# Altium PCB Zotino.PCBDOC (part 4 of 8)
Units mil, origin at the board's own origin, x right, y up, seen from the top; angles counter-clockwise.
Board outline 6303.18 x 3940.98 mil, 4 copper layers (TopLayer, Internal Plane 2, Signal Layer 1, BottomLayer), stack 61.54 mil thick; 716 components, 353 nets, 2092 pads, 748 vias.
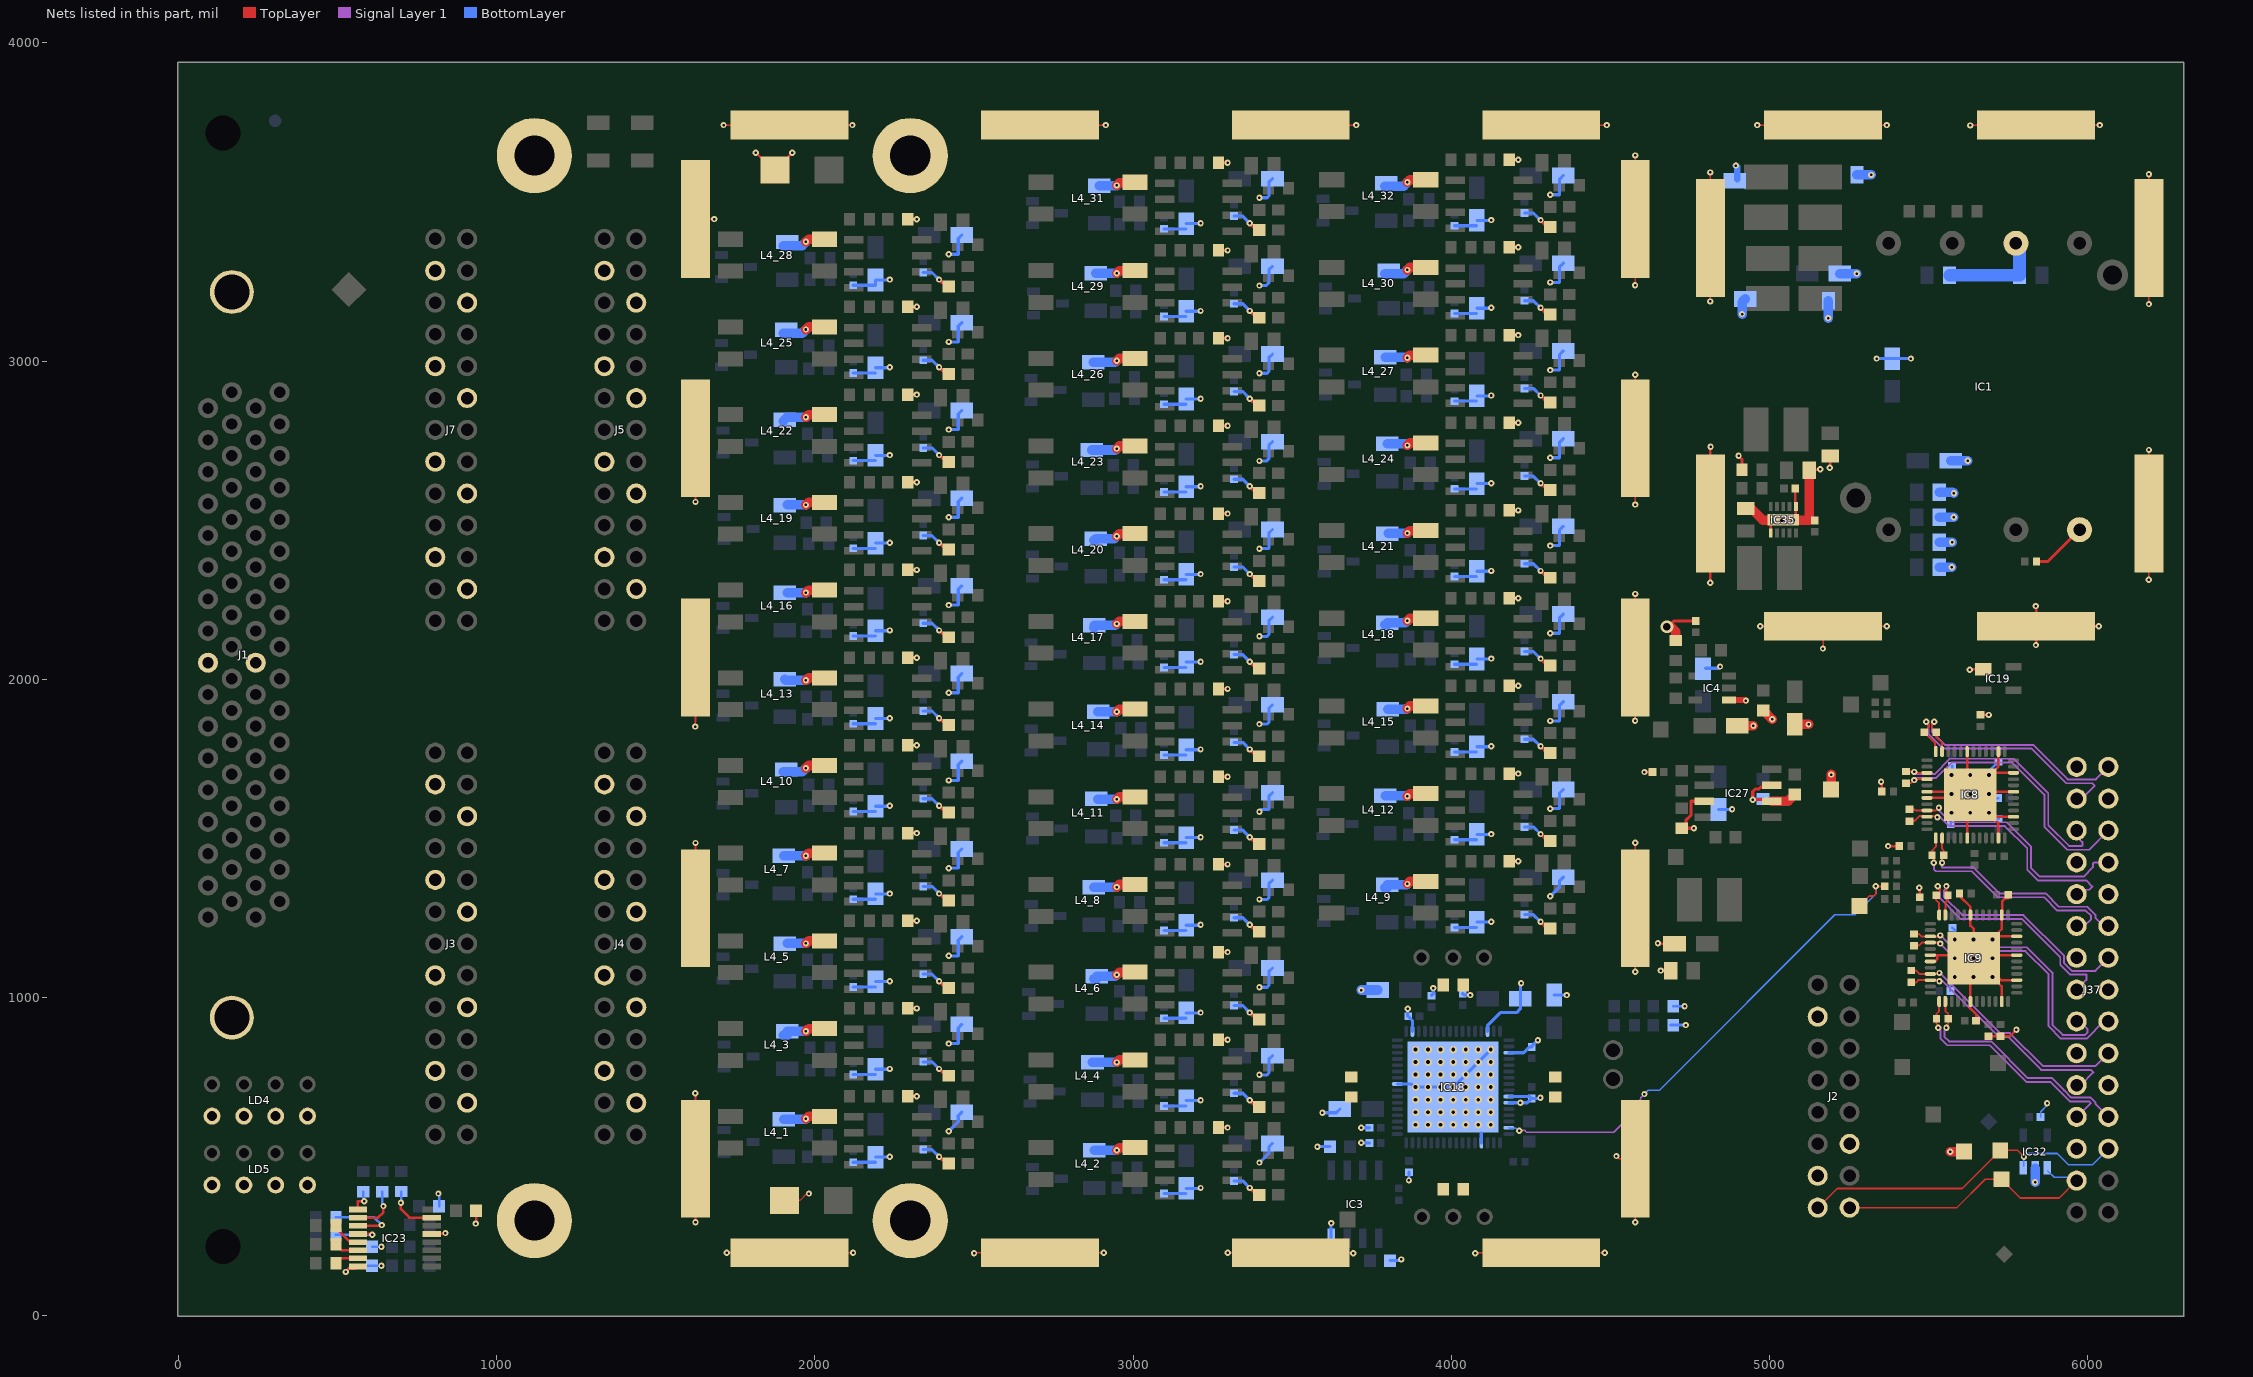
[diagram p6: the nets of this part, all layers, seen from the top]

## Via types
v1: diameter 19.68, hole 7.87, TopLayer to BottomLayer, tented both sides, 647 vias
v2: diameter 23.62, hole 11.81, TopLayer to BottomLayer, tented both sides, 70 vias
v3: diameter 39.37, hole 23.62, TopLayer to BottomLayer, tented both sides, 23 vias
v4: diameter 39.37, hole 19.68, TopLayer to BottomLayer, tented both sides, 8 vias

## Nets (pads, with @x,y where several pads share a name; then routed paths per layer and width w, separated by ;. In a path a pad name is that pad's centre, name@x,y a point inside that pad or via, vN(x,y) a via of type N, cw(c..) or ccw(c..) an arc to the next point about the centre after c; other vN are vias at no path point) (continued)
GND: C1.1 C2.1 C3.1 C4.1 C5.1 C7.2 C8.1 C9.1 C10.2 C12.2 C13.1 C14.2 C19.1 C20.1 C21.1 C22.1 C23.1 C24.1 C31.1 C33.1 C38.1 C47.2 C50.1 C53.1 C61_1.1 C61_2.1 C61_3.1 C61_4.1 C61_5.1 C61_6.1 C61_7.1 C61_8.1 C61_9.1 C61_10.1 C61_11.1 C61_12.1 C61_13.1 C61_14.1 C61_15.1 C61_16.1 C61_17.1 C61_18.1 C61_19.1 C61_20.1 C61_21.1 C61_22.1 C61_23.1 C61_24.1 C61_25.1 C61_26.1 C61_27.1 C61_28.1 C61_29.1 C61_30.1 C61_31.1 C61_32.1 C62_1.1 C62_2.1 C62_3.1 C62_4.1 C62_5.1 C62_6.1 C62_7.1 C62_8.1 C62_9.1 C62_10.1 C62_11.1 C62_12.1 C62_13.1 C62_14.1 C62_15.1 C62_16.1 C62_17.1 C62_18.1 C62_19.1 C62_20.1 C62_21.1 C62_22.1 C62_23.1 C62_24.1 C62_25.1 C62_26.1 C62_27.1 C62_28.1 C62_29.1 C62_30.1 C62_31.1 C62_32.1 C63.1 C68.1 C69.1 C70.1 C71.1 C76.1 C77.1 C78.1 C79.2 C80.1 C81.1 C82.1 C83.1 C90_1.2 C90_2.2 C90_3.2 C90_4.2 C90_5.2 C90_6.2 C90_7.2 C90_8.2 C90_9.2 C90_10.2 C90_11.2 C90_12.2 C90_13.2 C90_14.2 C90_15.2 C90_16.2 C90_17.2 C90_18.2 C90_19.2 C90_20.2 C90_21.2 C90_22.2 C90_23.2 C90_24.2 C90_25.2 C90_26.2 C90_27.2 C90_28.2 C90_29.2 C90_30.2 C90_31.2 C90_32.2 C91_1.1 C91_2.1 C91_3.1 C91_4.1 C91_5.1 C91_6.1 C91_7.1 C91_8.1 C91_9.1 C91_10.1 C91_11.1 C91_12.1 C91_13.1 C91_14.1 C91_15.1 C91_16.1 C91_17.1 C91_18.1 C91_19.1 C91_20.1 C91_21.1 C91_22.1 C91_23.1 C91_24.1 C91_25.1 C91_26.1 C91_27.1 C91_28.1 C91_29.1 C91_30.1 C91_31.1 C91_32.1 C92_1.1 C92_2.1 C92_3.1 C92_4.1 C92_5.1 C92_6.1 C92_7.1 C92_8.1 C92_9.1 C92_10.1 C92_11.1 C92_12.1 C92_13.1 C92_14.1 C92_15.1 C92_16.1 C92_17.1 C92_18.1 C92_19.1 C92_20.1 C92_21.1 C92_22.1 C92_23.1 C92_24.1 C92_25.1 C92_26.1 C92_27.1 C92_28.1 C92_29.1 C92_30.1 C92_31.1 C92_32.1 C93_1.1 C93_2.1 C93_3.1 C93_4.1 C93_5.1 C93_6.1 C93_7.1 C93_8.1 C93_9.1 C93_10.1 C93_11.1 C93_12.1 C93_13.1 C93_14.1 C93_15.1 C93_16.1 C93_17.1 C93_18.1 C93_19.1 C93_20.1 C93_21.1 C93_22.1 C93_23.1 C93_24.1 C93_25.1 C93_26.1 C93_27.1 C93_28.1 C93_29.1 C93_30.1 C93_31.1 C93_32.1 C95.1 C96.1 C124.2 C129.1 C130.1 C131.1 C132.2 C133.1 C134.2 C136.2 C137.1 C138.1 C139.1 C140.1 C141.1 C142.1 C144.1 C147.1 C148.1 C149.1 C150.1 C151.1 CLIP27.1 CLIP28.1 CLIP29.1 CLIP30.1 CLIP31.1 CLIP32.1 CLIP33.1 CLIP34.1 CLIP35.1 CLIP36.1 CLIP37.1 CLIP38.1 CLIP39.1 CLIP40.1 CLIP41.1 CLIP42.1 CLIP43.1 CLIP44.1 CLIP45.1 CLIP46.1 CLIP47.1 CLIP48.1 CLIP49.1 CLIP50.1 CLIP51.1 CLIP52.1 D10.2 D11.1 IC1.3 IC1.5 IC3.4 IC4.1 IC8.6 IC8.7 IC8.18 IC8.23 IC8.27 IC8.31 IC8.34 IC8.38 IC8.43 IC8.49 IC9.6 IC9.7 IC9.18 IC9.23 IC9.27 IC9.31 IC9.34 IC9.38 IC9.43 IC9.49 IC18.4 IC18.25 IC18.34 IC18.46 IC18.51 IC18.58 IC18.59 IC18.65 IC19.1 IC23.8 IC23.13 IC27.3 IC27.6 IC27.7 IC32.2 IC35.1 IC35.6 IC35.11 J1.17 J1.51 J1.69 J1.70 J2.3 J2.12 J2.13 J3.3 J3.6 J3.9 J3.12 J3.15 J3.18 J3.21 J3.24 J4.3 J4.6 J4.9 J4.12 J4.15 J4.18 J4.21 J4.24 J5.3 J5.6 J5.9 J5.12 J5.15 J5.18 J5.21 J5.24 J7.3 J7.6 J7.9 J7.12 J7.15 J7.18 J7.21 J7.24 J37.1 J37.4 J37.7 J37.10 J37.13 J37.16 J37.19 J37.22 J37.25 L4_1.2 L4_2.2 L4_3.2 L4_4.2 L4_5.2 L4_6.2 L4_7.2 L4_8.2 L4_9.2 L4_10.2 L4_11.2 L4_12.2 L4_13.2 L4_14.2 L4_15.2 L4_16.2 L4_17.2 L4_18.2 L4_19.2 L4_20.2 L4_21.2 L4_22.2 L4_23.2 L4_24.2 L4_25.2 L4_26.2 L4_27.2 L4_28.2 L4_29.2 L4_30.2 L4_31.2 L4_32.2 LD4.1 LD4.3 LD4.5 LD4.7 LD5.1 LD5.3 LD5.5 LD5.7 pad.0 pad.1@2299.21,3645.67 pad.2@1118.11,3645.67 pad.3 R2.1 R8.1 R8.2 R9.1 R9.2 R10.1 R10.2 R12.1 R12.2 R16.1 R17.1 R19.1 R20.1 R21.1 R23.1 R68_1.1 R68_2.1 R68_3.1 R68_4.1 R68_5.1 R68_6.1 R68_7.1 R68_8.1 R68_9.1 R68_10.1 R68_11.1 R68_12.1 R68_13.1 R68_14.1 R68_15.1 R68_16.1 R68_17.1 R68_18.1 R68_19.1 R68_20.1 R68_21.1 R68_22.1 R68_23.1 R68_24.1 R68_25.1 R68_26.1 R68_27.1 R68_28.1 R68_29.1 R68_30.1 R68_31.1 R68_32.1 R70.1 R153.1 R157.2 R164.1 R171.2 TP6.1 TP7.1 | length 31594.3
  TopLayer w5: CLIP38.1@1613.44,3435.04 CLIP38.1@1624.51,3446.11 v1(1683.63,3446.11) ; v1(1624.02,698.82) 1624.51,698.33 CLIP46.1@1624.51,493.36 1624.51,302.28 v1(1624.51,293.47) ; v1(1624,1851.52) 1624,1868.45 1624.51,1868.96 CLIP40.1@1624.51,2068.16 ; CLIP47.1@1624.51,1280.76 v1(1624.51,1485.73) ; v1(1624.51,2557.25) 1624.51,2566.06 CLIP39.1@1624.51,2757.14 ; v1(1712.6,3741.39) CLIP41.1@1919.78,3741.39 v1(2117.61,3741.39) ; v1(1722.44,198.08) CLIP43.1@1919.78,198.08 2110.86,198.08 v1(2119.67,198.08) ; D11.1@1904.04,362.45 1952.95,362.45 1974.5,384 v1(1980.91,384) ; v1(2500,196.85) 2501.23,198.08 CLIP44.1@2707.18,198.08 2898.26,198.08 v1(2907.07,198.08) ; CLIP42.1@2707.18,3741.39 v1(2913.39,3741.39) ; v1(3297.24,198.08) CLIP32.1@3494.59,198.08 3689.72,198.08 v1(3690.94,196.85) ; CLIP33.1@3494.59,3741.39 v1(3700.79,3741.39) ; v1(4074.8,196.85) 4076.03,198.08 CLIP45.1@4281.99,198.08 4473.06,198.08 v1(4481.87,198.08) ; CLIP34.1@4281.99,3741.39 v1(4488.19,3741.39) ; v1(4518.21,501.97) 4526.82,493.36 CLIP37.1@4577.27,493.36 4577.27,302.28 v1(4577.27,293.47) ; v1(4576.77,1870.08) 4577.27,1870.57 CLIP29.1@4577.27,2068.16 4577.27,2259.23 v1(4577.27,2268.04) ; v1(4576.77,3238.19) 4577.27,3238.68 CLIP31.1@4577.27,3446.11 4577.27,3637.19 v1(4577.27,3645.99) ; v1(4577.27,1080.87) 4577.27,1089.68 CLIP28.1@4577.27,1280.76 v1(4577.27,1486.22) ; v1(4577.27,2549.21) CLIP30.1@4577.27,2757.14 4577.27,2948.21 v1(4577.27,2957.02) ; v1(4813.49,3187.17) 4813.49,3195.98 CLIP36.1@4813.49,3387.06 v1(4813.49,3592.52) ; v1(4960.63,3741.39) CLIP35.1@5167.81,3741.39 5358.89,3741.39 v1(5367.7,3741.39) ; v1(4970.47,2166.58) CLIP52.1@5167.82,2166.58 ; v1(5167.32,2096.46) 5167.82,2096.95 CLIP52.1@5167.82,2166.58 ; v1(5367.7,2166.58) 5358.89,2166.58 CLIP52.1@5167.82,2166.58 ; v1(5629.92,3740.16) 5631.15,3741.39 CLIP49.1@5837.11,3741.39 6028.18,3741.39 v1(6036.99,3741.39) ; v1(6190.94,2312.99) 6191.44,2313.49 CLIP50.1@6191.44,2520.91 6191.44,2711.99 v1(6191.44,2720.79) ; v1(6191.44,3179.13) CLIP48.1@6191.44,3387.05 6191.44,3578.13 v1(6191.44,3586.94)
  TopLayer w8: v1(525.22,137.84) 525.22,139.15 533.71,147.64 556.35,147.64 IC23.8@563.49,154.77 ; IC23.13@795.77,257.13 836.08,257.13 v1(838.84,259.89) ; v1(933.84,289.89) 935.34,291.39 C96.1@935.34,329.89 ; v1(1813.84,3654.89) 1868.09,3600.64 1874.59,3600.64 v1(1928.84,3654.89) ; v1(4648.62,1170.28) 4649.61,1169.29 C7.2@4700.79,1169.29 ; v1(4657.48,1084.65) C8.1@4688.98,1084.65 ; v1(4813.49,2303.15) CLIP51.1@4813.49,2520.91 4813.49,2730.49 v1(4814,2731) ; v1(4902,2702) 4912.89,2691.11 R164.1@4912.89,2658.71 ; IC35.6@5003.44,2459.89 5003.44,2494.49 IC35.11@5003.84,2494.89 ; IC35.11@5078.84,2499.89 5082.18,2503.23 IC35.1@5082.18,2542.57 ; C150.1@5080.22,2599.65 5080.22,2553.51 IC35.1@5083.84,2549.89 ; C151.1@5117.62,2644.89 5117.62,2658.71 5157.66,2658.71 v1(5158.84,2659.89) ; v1(5188.84,2664.89) 5190.45,2666.5 C129.1@5190.45,2702.02 ; v1(5350,1678) 5351.96,1676.04 R17.1@5351.96,1647.8 ; v1(5371.8,1475.8) R19.1@5406.96,1475.8 ; v1(5470.15,1344.89) 5471.15,1343.89 R20.1@5471.15,1315.39 ; IC8.7@5494.32,1627.18 5564.44,1627.18 5574.28,1637.02 IC8.49@5630.15,1637.02 ; IC8.6@5494.32,1646.87 IC8.49@5571.09,1646.87 ; IC9.7@5504.72,1113.53 5521.31,1113.53 5521.31,1115.69 5527,1121.39 5527,1133.21 ; IC9.6@5504.72,1133.21 5527,1133.21 ; R21.1@5596.64,1326.89 5596.64,1319.39 5630.71,1285.33 IC9.43@5630.71,1259.2 5630.71,1226.33 5640.55,1216.49 v2(5640.55,1182.43) v2(5640.55,1123.37) ; IC8.18@5620.31,1501.2 5620.31,1563.05 5630.15,1572.89 v2(5630.15,1580.83) IC8.49@5630.15,1635.89 ; IC8.43@5620.31,1772.85 5620.31,1721.73 5630.15,1711.89 v2(5630.15,1698.94) v2(5630.15,1639.89) ; v1(5628.84,2029.89) 5630.86,2031.91 IC19.1@5671.27,2031.91 ; IC8.49@5640.28,1637.02 5682.28,1637.02 IC8.49@5687.18,1641.92 ; IC9.49@5640.55,1126.29 5729.13,1214.87 IC9.38@5729.13,1259.2 5730.31,1260.37 5730.31,1301.69 5741.34,1312.73 5749.65,1312.73 R171.2@5749.65,1322.89 ; C24.1@5648.27,927.37 5648.27,948.05 5630.71,965.61 IC9.18@5630.71,987.54 5630.71,1050.45 5640.55,1060.29 v2(5640.55,1064.32) v2(5640.55,1123.37) ; R16.1@5662.46,1888.3 5687.7,1888.3 v1(5688,1888) ; IC8.49@5687.2,1578.83 5718.73,1547.31 IC8.23@5718.73,1501.2 ; R23.1@5687.46,878.29 R157.2@5725.46,878.29 5754.55,878.29 v1(5775.15,898.89) ; IC8.49@5687.77,1579.4 IC8.49@5630.15,1637.02 ; IC8.49@5692.12,1646.87 IC8.31@5765.97,1646.87 ; IC9.49@5698.62,1124.36 5697.63,1123.37 IC9.49@5657.67,1123.37 ; IC8.49@5699.05,1568.13 IC8.27@5765.97,1568.13 ; IC9.49@5707.47,1133.21 IC9.31@5776.38,1133.21 ; IC9.49@5710.15,1192.97 5775.68,1192.97 IC9.34@5776.38,1192.27 ; 5713.15,1720.02 IC8.49@5630.15,1637.02 ; IC9.49@5717.03,1046.89 5729.13,1034.79 IC9.23@5729.13,987.54 ; IC8.38@5718.73,1772.85 5718.73,1725.61 5699.05,1705.92 IC8.34@5765.97,1705.92 ; IC9.27@5776.38,1054.47 5726.56,1054.47 IC9.49@5657.67,1123.37 ; v1(5836,2230) 5837.11,2228.89 CLIP27.1@5837.11,2166.58 ; v1(5836.61,2107.53) 5837.11,2108.02 CLIP27.1@5837.11,2166.58 ; v1(6033.46,2166.58) CLIP27.1@5837.11,2166.58 ; 5527,1133.21 5566.79,1133.21 5576.63,1123.37 v2(5581.49,1123.37) v2(5640.55,1123.37) ; v2(5640.55,1123.37) IC9.49@5657.67,1123.37
  TopLayer w10: R68_1.1@2291.5,690 v1(2320,690) ; R68_3.1@2291.5,965.59 v1(2320,965.59) ; R68_5.1@2291.5,1241.18 v1(2320,1241.18) ; R68_7.1@2291.5,1516.77 v1(2320,1516.77) ; R68_10.1@2291.49,1792.36 v1(2320,1792.36) ; R68_13.1@2291.49,2067.95 v1(2320,2067.95) ; R68_16.1@2291.49,2343.54 v1(2320,2343.54) ; R68_19.1@2291.5,2619.13 v1(2320,2619.13) ; R68_22.1@2291.5,2894.72 v1(2320,2894.72) ; R68_25.1@2291.49,3170.32 v1(2320,3170.32) ; R68_28.1@2291.5,3445.91 v1(2320,3445.91) ; v1(2390,500) 2411.5,478.5 C61_1.1@2420,478.5 ; v1(2390,775.59) 2411.5,754.1 C61_3.1@2420,754.09 ; v1(2390,1051.18) 2411.5,1029.69 C61_5.1@2420,1029.69 ; v1(2390,1326.77) 2411.5,1305.28 C61_7.1@2420,1305.28 ; v1(2390,1602.36) 2411.5,1580.87 C61_10.1@2420,1580.87 ; v1(2390,1877.95) 2411.5,1856.46 C61_13.1@2420,1856.46 ; v1(2390,2153.54) 2411.5,2132.05 C61_16.1@2420,2132.05 ; v1(2390,2429.13) 2411.5,2407.64 C61_19.1@2420,2407.64 ; v1(2390,2704.72) 2411.5,2683.23 C61_22.1@2420,2683.23 ; v1(2390,2980.32) 2411.5,2958.82 C61_25.1@2420,2958.82 ; v1(2390,3255.91) 2411.5,3234.41 C61_28.1@2420,3234.41 ; R68_2.1@3267.87,591.57 v1(3296.38,591.57) ; R68_4.1@3267.87,867.17 v1(3296.38,867.17) ; R68_6.1@3267.87,1142.76 v1(3296.38,1142.76) ; R68_8.1@3267.87,1418.35 v1(3296.38,1418.35) ; R68_11.1@3267.87,1693.94 v1(3296.38,1693.94) ; R68_14.1@3267.87,1969.53 v1(3296.38,1969.53) ; R68_17.1@3267.87,2245.12 v1(3296.38,2245.12) ; R68_20.1@3267.87,2520.71 v1(3296.38,2520.71) ; R68_23.1@3267.87,2796.3 v1(3296.38,2796.3) ; R68_26.1@3267.87,3071.89 v1(3296.38,3071.89) ; R68_29.1@3267.87,3347.48 v1(3296.38,3347.48) ; R68_31.1@3267.87,3623.07 v1(3296.38,3623.07) ; v1(3366.38,401.57) 3387.87,380.08 C61_2.1@3396.38,380.08 ; v1(3366.38,677.17) 3387.87,655.67 C61_4.1@3396.38,655.67 ; v1(3366.38,952.76) 3387.87,931.26 C61_6.1@3396.38,931.26 ; v1(3366.38,1228.35) 3387.87,1206.85 C61_8.1@3396.38,1206.85 ; v1(3366.38,1503.94) 3387.87,1482.44 C61_11.1@3396.38,1482.44 ; v1(3366.38,1779.53) 3387.87,1758.03 C61_14.1@3396.38,1758.03 ; v1(3366.38,2055.12) 3387.87,2033.62 C61_17.1@3396.38,2033.62 ; v1(3366.38,2330.71) 3387.87,2309.21 C61_20.1@3396.38,2309.21 ; v1(3366.38,2606.3) 3387.87,2584.8 C61_23.1@3396.38,2584.8 ; v1(3366.38,2881.89) 3387.87,2860.39 C61_26.1@3396.38,2860.39 ; v1(3366.38,3157.48) 3387.87,3135.99 C61_29.1@3396.38,3135.98 ; v1(3366.38,3433.07) 3387.87,3411.58 C61_31.1@3396.38,3411.57 ; R68_9.1@4181.26,1428.19 v1(4209.76,1428.19) ; R68_12.1@4181.26,1703.78 v1(4209.76,1703.78) ; R68_15.1@4181.26,1979.37 v1(4209.76,1979.37) ; R68_18.1@4181.26,2254.96 v1(4209.76,2254.96) ; R68_21.1@4181.26,2530.55 v1(4209.76,2530.55) ; R68_24.1@4181.26,2806.14 v1(4209.76,2806.14) ; R68_27.1@4181.26,3081.73 v1(4209.76,3081.73) ; R68_30.1@4181.26,3357.32 v1(4209.76,3357.32) ; R68_32.1@4181.26,3632.91 v1(4209.76,3632.91) ; v1(4279.76,1238.19) 4301.26,1216.69 C61_9.1@4309.76,1216.69 ; v1(4279.76,1513.78) 4301.26,1492.28 C61_12.1@4309.76,1492.28 ; v1(4279.76,1789.37) 4301.26,1767.87 C61_15.1@4309.76,1767.87 ; v1(4279.76,2064.96) 4301.26,2043.47 C61_18.1@4309.76,2043.46 ; v1(4279.76,2340.55) 4301.26,2319.06 C61_21.1@4309.76,2319.06 ; v1(4279.76,2616.14) 4301.26,2594.65 C61_24.1@4309.76,2594.64 ; v1(4279.76,2891.73) 4301.26,2870.24 C61_27.1@4309.76,2870.23 ; v1(4279.76,3167.32) 4301.26,3145.83 C61_30.1@4309.76,3145.83 ; v1(4279.76,3442.91) 4301.26,3421.42 C61_32.1@4309.76,3421.42 ; v1(4606.3,1708.66) C33.1@4631.89,1708.66 ; v3@4688.98,2173.23 4698.82,2183.07 C5.1@4767.72,2183.07 ; R153.1@4722.93,1531.74 4761.67,1531.74 v1(4761.71,1531.78) ; R153.1@4736.71,1531.78 4736.71,1556.97 4752.62,1572.87 4752.62,1616.59 4752.23,1616.98 IC27.3@4793.8,1616.98 ; IC27.6@5001.71,1621.78 v1(4946.71,1621.78) 4946.71,1646.78 4955.1,1655.16 4965.89,1655.16 4972.5,1661.78 5001.2,1661.78 IC27.7@5006.4,1666.98 ; R2.1@5838.5,2370 5873.54,2370 IC1.3@5973.54,2470
  TopLayer w20: IC4.1@4872.05,1935.04 4923.23,1935.04 v1(4925.2,1933.07)
  TopLayer w30: v1(1971.71,618.8) 1979.71,626.8 L4_1.2@2029.35,626.81 ; v1(1971.71,894.39) 1979.71,902.39 L4_3.2@2029.35,902.4 ; v1(1971.71,1169.98) 1979.71,1177.99 L4_5.2@2029.35,1177.99 ; v1(1971.71,1445.58) 1979.71,1453.58 L4_7.2@2029.35,1453.58 ; v1(1971.71,1721.17) 1979.71,1729.17 L4_10.2@2029.35,1729.17 ; v1(1971.71,1996.76) 1979.71,2004.76 L4_13.2@2029.35,2004.76 ; v1(1971.71,2272.35) 1979.71,2280.35 L4_16.2@2029.35,2280.35 ; v1(1971.71,2547.94) 1979.71,2555.94 L4_19.2@2029.35,2555.94 ; v1(1971.71,2823.53) 1979.71,2831.53 L4_22.2@2029.35,2831.53 ; v1(1971.71,3099.12) 1979.71,3107.12 L4_25.2@2029.35,3107.12 ; v1(1971.71,3374.71) 1979.71,3382.71 L4_28.2@2029.35,3382.71 ; v1(2948.09,520.38) 2956.09,528.38 L4_2.2@3005.73,528.38 ; v1(2948.09,795.97) 2956.09,803.97 L4_4.2@3005.73,803.97 ; v1(2948.09,1071.56) 2956.09,1079.56 L4_6.2@3005.73,1079.56 ; v1(2948.09,1347.15) 2956.09,1355.15 L4_8.2@3005.73,1355.15 ; v1(2948.09,1622.74) 2956.09,1630.74 L4_11.2@3005.73,1630.74 ; v1(2948.09,1898.33) 2956.09,1906.33 L4_14.2@3005.73,1906.33 ; v1(2948.09,2173.92) 2956.09,2181.92 L4_17.2@3005.73,2181.92 ; v1(2948.09,2449.51) 2956.09,2457.51 L4_20.2@3005.73,2457.51 ; v1(2948.09,2725.1) 2956.09,2733.1 L4_23.2@3005.73,2733.1 ; v1(2948.09,3000.69) 2956.09,3008.69 L4_26.2@3005.73,3008.69 ; v1(2948.09,3276.28) 2956.09,3284.28 L4_29.2@3005.73,3284.28 ; v1(2948.09,3551.87) 2956.09,3559.87 L4_31.2@3005.73,3559.87 ; v1(3861.48,1356.99) 3869.48,1364.99 L4_9.2@3919.12,1364.99 ; v1(3861.48,1632.58) 3869.48,1640.58 L4_12.2@3919.12,1640.58 ; v1(3861.48,1908.17) 3869.48,1916.17 L4_15.2@3919.12,1916.17 ; v1(3861.48,2183.76) 3869.48,2191.76 L4_18.2@3919.12,2191.77 ; v1(3861.48,2459.35) 3869.48,2467.35 L4_21.2@3919.12,2467.36 ; v1(3861.48,2734.94) 3869.48,2742.95 L4_24.2@3919.12,2742.95 ; v1(3861.48,3010.54) 3869.48,3018.54 L4_27.2@3919.12,3018.54 ; v1(3861.48,3286.13) 3869.48,3294.13 L4_30.2@3919.12,3294.13 ; v1(3861.48,3561.72) 3869.48,3569.72 L4_32.2@3919.12,3569.72 ; v3(4677.17,2165.35) 4688.98,2165.35 4704.73,2149.61 R70.1@4704.73,2122.05 ; C1.1@4897.64,1854.33 v1(4948.82,1854.33) ; C149.1@4924.7,2536.66 4942.07,2536.66 4978.84,2499.89 v2(5008.84,2499.89) v2(5038.84,2499.89) v2(5073.84,2499.89) 5078.84,2499.89 5123.84,2499.89 C151.1@5123.84,2634.89 ; C144.1@4980.32,1901.57 v1(5007.87,1874.02) ; IC27.6@5006.4,1616.98 5057.92,1616.98 C133.1@5078.74,1637.8 ; C3.1@5078.74,1858.27 v1(5122.05,1858.27) ; TP7.1@5192.91,1653.54 v1(5192.91,1700.79) ; v1(5566.93,515.75) TP6.1@5610.24,515.75
  BottomLayer w5: C38.1@5851.23,624.38 5851.23,640.86 5871.51,661.15 v1(5871.51,668.19)
  BottomLayer w8: v1(525.22,137.84) 544.86,157.48 C76.1@608.27,157.48 v1(637.72,157.48) ; C71.1@608.27,216.54 v1(637.72,216.54) ; v1(816.93,383.86) 818.9,381.89 C77.1@818.9,344.49 ; C68.1@4696.85,972.57 v1(4732.28,972.57) ; C69.1@5567.86,1020.89 5567.86,1050.69 v2(5581.49,1064.32) ; C22.1@5569.15,1544.61 5569.15,1578.89 v2(5571.09,1580.83) ; v2(5571.09,1698.94) 5573.15,1701 C23.1@5573.15,1728.17 ; C70.1@5574.15,1219.17 5581.49,1211.83 v2(5581.49,1182.43) ; v2(5689.2,1580.83) 5699.17,1570.87 5709.89,1570.87 C20.1@5719.15,1561.61 ; v2(5689.2,1639.89) 5702.2,1626.89 C19.1@5717.43,1626.89 ; v2(5689.2,1698.94) 5689.2,1711.23 C21.1@5719.15,1741.17
  BottomLayer w10: C91_1.1@2120,482.28 C90_1.2@2189.21,482.28 ; C91_3.1@2120,757.87 C90_3.2@2189.21,757.88 ; C91_5.1@2120,1033.46 C90_5.2@2189.21,1033.47 ; C91_7.1@2120,1309.06 C90_7.2@2189.21,1309.06 ; C91_10.1@2120,1584.65 C90_10.2@2189.21,1584.65 ; C91_13.1@2120,1860.24 C90_13.2@2189.21,1860.24 ; C91_16.1@2120,2135.83 C90_16.2@2189.21,2135.83 ; C91_19.1@2120,2411.42 C90_19.2@2189.21,2411.42 ; C91_22.1@2120,2687.01 C90_22.2@2189.21,2687.01 ; C91_25.1@2120,2962.6 C90_25.2@2189.21,2962.6 ; C91_28.1@2120,3238.19 2189.21,3238.19 2190,3238.98 C90_28.2@2190,3254.72 2234.09,3254.72 v1(2235.27,3255.91) ; C90_1.2@2190,498.82 2234.09,498.82 v1(2235.27,500) ; C90_3.2@2190,774.41 2234.09,774.41 v1(2235.27,775.59) ; C90_5.2@2190,1050 2234.09,1050 v1(2235.27,1051.18) ; C90_7.2@2190,1325.59 2234.09,1325.59 v1(2235.27,1326.77) ; C90_10.2@2190,1601.18 2234.09,1601.18 v1(2235.27,1602.36) ; C90_13.2@2190,1876.77 2234.09,1876.77 v1(2235.27,1877.95) ; C90_16.2@2190,2152.36 2234.09,2152.36 v1(2235.27,2153.54) ; C90_19.2@2190,2427.95 2234.09,2427.95 v1(2235.27,2429.13) ; C90_22.2@2190,2703.54 2234.09,2703.54 v1(2235.27,2704.72) ; C90_25.2@2190,2979.13 2234.09,2979.13 v1(2235.27,2980.32) ; C92_1.1@2340,522.28 2367.72,522.28 v1(2390,500) ; C92_3.1@2340,797.87 2367.72,797.87 v1(2390,775.59) ; C92_5.1@2340,1073.46 2367.72,1073.46 v1(2390,1051.18) ; C92_7.1@2340,1349.06 2367.72,1349.06 v1(2390,1326.77) ; C92_10.1@2340,1624.65 2367.72,1624.65 v1(2390,1602.36) ; C92_13.1@2340,1900.24 2367.72,1900.24 v1(2390,1877.95) ; C92_16.1@2340,2175.83 2367.72,2175.83 v1(2390,2153.54) ; C92_19.1@2340,2451.42 2367.72,2451.42 v1(2390,2429.13) ; C92_22.1@2340,2727.01 2367.72,2727.01 v1(2390,2704.72) ; C92_25.1@2340,3002.6 2367.72,3002.6 v1(2390,2980.32) ; C92_28.1@2340,3278.19 2367.72,3278.19 v1(2390,3255.91) ; v1(2420.29,579.82) 2450,609.53 2450,628.82 C93_1.1@2461.18,640 ; v1(2420.29,855.41) 2450,855.41 2450,904.41 C93_3.1@2461.18,915.59 ; v1(2420.29,1131) 2450,1131 2450,1180 C93_5.1@2461.18,1191.18 ; v1(2420.29,1406.59) 2450,1406.59 2450,1455.59 C93_7.1@2461.18,1466.77 ; v1(2420.29,1682.18) 2450,1682.18 2450,1731.18 C93_10.1@2461.18,1742.36 ; v1(2420.29,1957.77) 2450,1957.77 2450,2006.77 C93_13.1@2461.18,2017.95 ; v1(2420.29,2233.36) 2449.9,2233.36 2450,2233.46 2450,2282.36 C93_16.1@2461.18,2293.54 ; v1(2420.29,2508.95) 2450,2508.95 2450,2557.95 C93_19.1@2461.18,2569.13 ; v1(2420.29,2784.54) 2450,2784.54 2450,2833.54 C93_22.1@2461.18,2844.72 ; v1(2420.29,3060.13) 2450,3060.13 2450,3109.13 C93_25.1@2461.18,3120.32 ; v1(2420.29,3335.72) 2450,3335.72 2450,3384.72 C93_28.1@2461.18,3395.91 ; C91_2.1@3096.38,383.86 C90_2.2@3165.59,383.86 ; C91_4.1@3096.38,659.45 C90_4.2@3165.59,659.45 ; C91_6.1@3096.38,935.04 C90_6.2@3165.59,935.04 ; C91_8.1@3096.38,1210.63 C90_8.2@3165.59,1210.63 ; C91_11.1@3096.38,1486.22 C90_11.2@3165.59,1486.22 ; C91_14.1@3096.38,1761.81 C90_14.2@3165.59,1761.81 ; C91_17.1@3096.38,2037.4 C90_17.2@3165.59,2037.4 ; C91_20.1@3096.38,2312.99 C90_20.2@3165.59,2312.99 ; C91_23.1@3096.38,2588.58 C90_23.2@3165.59,2588.58 ; C91_26.1@3096.38,2864.17 C90_26.2@3165.59,2864.17 ; C91_29.1@3096.38,3139.76 C90_29.2@3165.59,3139.77 ; C91_31.1@3096.38,3415.35 C90_31.2@3165.59,3415.36 ; C90_2.2@3166.38,400.39 3210.47,400.39 v1(3211.65,401.57) ; C90_4.2@3166.38,675.98 3210.47,675.98 v1(3211.65,677.17) ; C90_6.2@3166.38,951.57 3210.47,951.57 v1(3211.65,952.76) ; C90_8.2@3166.38,1227.17 3210.47,1227.16 v1(3211.65,1228.35) ; C90_11.2@3166.38,1502.76 3210.47,1502.76 v1(3211.65,1503.94) ; C90_14.2@3166.38,1778.35 3210.47,1778.35 v1(3211.65,1779.53) ; C90_17.2@3166.38,2053.94 3210.47,2053.94 v1(3211.65,2055.12) ; C90_20.2@3166.38,2329.53 3210.47,2329.53 v1(3211.65,2330.71) ; C90_23.2@3166.38,2605.12 3210.47,2605.12 v1(3211.65,2606.3) ; C90_26.2@3166.38,2880.71 3210.47,2880.71 v1(3211.65,2881.89) ; C90_29.2@3166.38,3156.3 3210.47,3156.3 v1(3211.65,3157.48) ; C90_31.2@3166.38,3431.89 3210.47,3431.89 v1(3211.65,3433.07) ; C92_2.1@3316.38,423.86 3344.09,423.86 v1(3366.38,401.57) ; C92_4.1@3316.38,699.45 3344.09,699.45 v1(3366.38,677.17) ; C92_6.1@3316.38,975.04 3344.09,975.04 v1(3366.38,952.76) ; C92_8.1@3316.38,1250.63 3344.09,1250.63 v1(3366.38,1228.35) ; C92_11.1@3316.38,1526.22 3344.09,1526.22 v1(3366.38,1503.94) ; C92_14.1@3316.38,1801.81 3344.09,1801.81 v1(3366.38,1779.53) ; C92_17.1@3316.38,2077.4 3344.09,2077.4 v1(3366.38,2055.12) ; C92_20.1@3316.38,2352.99 3344.09,2352.99 v1(3366.38,2330.71) ; C92_23.1@3316.38,2628.58 3344.09,2628.58 v1(3366.38,2606.3) ; C92_26.1@3316.38,2904.18 3344.09,2904.17 v1(3366.38,2881.89) ; C92_29.1@3316.38,3179.76 3344.09,3179.76 v1(3366.38,3157.48) ; C92_31.1@3316.38,3455.36 3344.09,3455.35 v1(3366.38,3433.07) ; v1(3396.67,481.39) 3426.38,511.1 3426.38,530.39 C93_2.1@3437.56,541.57 ; v1(3396.67,756.98) 3420.61,756.98 3426.38,762.75 3426.38,805.98 C93_4.1@3437.56,817.17 ; v1(3396.67,1032.58) 3420.61,1032.58 3426.38,1038.35 3426.38,1081.57 C93_6.1@3437.56,1092.76 ; v1(3396.67,1308.17) 3420.61,1308.17 3426.38,1313.94 3426.38,1357.16 C93_8.1@3437.56,1368.35 ; v1(3396.67,1583.76) 3404.1,1591.18 3426.38,1591.18 3426.38,1632.76 C93_11.1@3437.56,1643.94 ; v1(3396.67,1859.35) 3420.61,1859.35 3426.38,1865.12 3426.38,1908.35 C93_14.1@3437.56,1919.53 ; v1(3396.67,2134.94) 3420.61,2134.94 3426.38,2140.71 3426.38,2183.94 C93_17.1@3437.56,2195.12 ; v1(3396.67,2410.53) 3424.54,2410.53 3426.38,2412.36 3426.38,2459.53 C93_20.1@3437.56,2470.71 ; v1(3396.67,2686.12) 3419.84,2686.12 3426.38,2692.66 3426.38,2735.12 C93_23.1@3437.56,2746.3 ; v1(3396.67,2961.71) 3420.61,2961.71 3426.38,2967.48 3426.38,3010.71 C93_26.1@3437.56,3021.89 ; v1(3396.67,3237.3) 3418.27,3237.3 3426.38,3245.41 3426.38,3286.3 C93_29.1@3437.56,3297.48 ; v1(3396.67,3512.89) 3420.61,3512.89 3426.38,3518.66 3426.38,3561.89 C93_31.1@3437.56,3573.07 ; v1(3578.74,531.5) C81.1@3618.11,531.5 ; C82.1@3590.55,173.23 3621.85,204.53 IC3.4@3621.85,244.09 3621.85,291.14 v1(3622.05,291.34) ; v1(3594.48,637.79) 3637.79,637.79 C79.2@3649.61,649.61 ; v1(3716.54,543.31) C53.1@3742.13,543.31 ; v1(3716.54,590.55) C78.1@3742.13,590.55 ; C80.1@3807.09,173.23 3838.58,173.23 v1(3842.52,177.17) ; IC18.25@3830.02,728.35 3874.02,728.35 3883.86,718.5 v2(3887.1,718.5) v2(3926.47,718.5) v2(3965.84,718.5) v2(4005.21,718.5) v2(4044.58,757.87) IC18.65@4113.48,826.77 ; v1(3862.2,964.57) 3862.2,942.91 C4.1@3864.17,940.94 3877.26,927.86 IC18.34@3877.26,893.7 ; v1(3866.14,425.2) C31.1@3866.14,450.79 ; C50.1@3937.01,1005.91 3941.1,1010 3940.94,1010.17 3942.65,1011.88 v1(3942.65,1029.78) ; C91_9.1@4009.76,1220.47 C90_9.2@4078.98,1220.47 ; C91_12.1@4009.76,1496.06 C90_12.2@4078.98,1496.06 ; C91_15.1@4009.76,1771.65 C90_15.2@4078.98,1771.65 ; C91_18.1@4009.76,2047.25 C90_18.2@4078.98,2047.25 ; C91_21.1@4009.76,2322.84 C90_21.2@4078.98,2322.84 ; C91_24.1@4009.76,2598.42 C90_24.2@4078.98,2598.43 ; C91_27.1@4009.76,2874.01 C90_27.2@4078.98,2874.02 ; C91_30.1@4009.76,3149.61 C90_30.2@4078.98,3149.61 ; C91_32.1@4009.76,3425.2 C90_32.2@4078.98,3425.2 ; C9.1@4035.43,1011.81 4039.37,1007.87 v1(4059.05,1007.87) ; C90_9.2@4079.76,1237.01 4123.86,1237.01 v1(4125.04,1238.19) ; C90_12.2@4079.76,1512.6 4123.86,1512.6 v1(4125.04,1513.78) ; C90_15.2@4079.76,1788.19 4123.86,1788.19 v1(4125.04,1789.37) ; C90_18.2@4079.76,2063.78 4123.86,2063.78 v1(4125.04,2064.96) ; C90_21.2@4079.76,2339.37 4123.86,2339.37 v1(4125.04,2340.55) ; C90_24.2@4079.76,2614.96 4123.86,2614.96 v1(4125.04,2616.14) ; C90_27.2@4079.76,2890.55 4123.86,2890.55 v1(4125.04,2891.73) ; C90_30.2@4079.76,3166.14 4123.86,3166.14 v1(4125.04,3167.32) ; C90_32.2@4079.76,3441.73 4123.86,3441.73 v1(4125.04,3442.91) ; IC18.4@4093.8,543.31 4093.8,574.11 ; IC18.46@4113.48,893.7 4113.48,912.69 4153.54,952.76 4204.72,952.76 4216.54,964.57 C12.2@4216.54,996.06 4216.54,1043.31 v1(4218.5,1045.28) ; IC18.59@4180.41,669.29 v1(4216.54,669.29) 4238.19,669.29 C83.1@4251.97,683.07 ; IC18.58@4180.41,688.98 4246.06,688.98 C83.1@4251.97,683.07 ; IC18.51@4180.41,826.77 4180.57,826.61 4226.49,826.61 4244.36,844.49 C13.1@4251.97,844.49 4251.97,846.46 v1(4271.65,866.14) ; C92_9.1@4229.77,1260.47 4257.48,1260.47 v1(4279.76,1238.19) ; C92_12.1@4229.76,1536.06 4257.48,1536.06 v1(4279.76,1513.78) ; C92_15.1@4229.76,1811.65 4257.48,1811.65 v1(4279.76,1789.37) ; C92_18.1@4229.77,2087.24 4257.48,2087.24 v1(4279.76,2064.96) ; C92_21.1@4229.77,2362.84 4257.48,2362.83 v1(4279.76,2340.55) ; C92_24.1@4229.76,2638.43 4257.48,2638.43 v1(4279.76,2616.14) ; C92_27.1@4229.76,2914.02 4257.48,2914.02 v1(4279.76,2891.73) ; C92_30.1@4229.77,3189.61 4257.48,3189.61 v1(4279.76,3167.32) ; C92_32.1@4229.76,3465.2 4257.48,3465.2 v1(4279.76,3442.91) ; v1(4279.53,685.04) 4277.56,683.07 C83.1@4251.97,683.07 ; v1(4310.06,1318.01) 4339.76,1347.71 4339.76,1367.01 C93_9.1@4350.94,1378.19 ; v1(4310.06,1593.6) 4339.76,1593.6 4339.76,1642.6 C93_12.1@4350.94,1653.78 ; v1(4310.06,1869.19) 4339.76,1869.19 4339.76,1918.19 C93_15.1@4350.94,1929.37 ; v1(4310.06,2144.78) 4339.76,2144.78 4339.76,2193.78 C93_18.1@4350.94,2204.96 ; v1(4310.06,2420.37) 4339.76,2420.37 4339.76,2469.37 C93_21.1@4350.94,2480.55 ; v1(4310.06,2695.96) 4339.76,2695.96 4339.76,2744.96 C93_24.1@4350.94,2756.14 ; v1(4310.06,2971.55) 4339.76,2971.55 4339.76,3020.55 C93_27.1@4350.94,3031.73 ; v1(4310.06,3247.14) 4339.76,3247.14 4339.76,3296.14 C93_30.1@4350.94,3307.32 ; v1(4310.06,3522.73) 4339.76,3522.73 4339.76,3571.73 C93_32.1@4350.94,3582.91 ; C14.2@4322.84,1007.87 v1(4362.2,1007.87) ; C95.1@4688.98,913.39 v1(4736.22,913.39) ; C147.1@4798.84,2034.89 4838.84,2034.89 v1(4843.84,2039.89) ; C124.2@4839.07,1590.8 4880.73,1590.8 v1(4881.71,1591.78) ; v1(4946.71,1621.78) 4948.21,1623.27 C63.1@4978.84,1623.27 ; v1(5335.63,3007.87) C10.2@5384.84,3007.87 v1(5443.9,3007.87)
  BottomLayer w20: v1(4893.7,3614.17) 4897.64,3610.24 C2.1@4897.64,3570.87
  BottomLayer w30: C62_3.1@1900.1,882.13 C62_3.1@1913.39,882.13 ; C62_10.1@1900.1,1708.91 1959.45,1708.91 v1(1971.71,1721.17) ; C62_22.1@1900.1,2811.27 1912.36,2823.53 v1(1971.71,2823.53) ; C62_25.1@1900.1,3086.86 1959.45,3086.86 v1(1971.71,3099.12) ; C62_28.1@1900.1,3362.45 1959.45,3362.45 v1(1971.71,3374.71) ; C62_1.1@1901.57,618.11 1971.02,618.11 v1(1971.71,618.8) ; C62_7.1@1901.57,1444.88 1971.02,1444.88 v1(1971.71,1445.58) ; C62_13.1@1905.51,2000 1908.76,1996.76 v1(1971.71,1996.76) ; C62_5.1@1912.36,1169.98 v1(1971.71,1169.98) ; C62_16.1@1912.36,2272.35 v1(1971.71,2272.35) ; C62_19.1@1912.36,2547.94 v1(1971.71,2547.94) ; C62_3.1@1913.39,893.7 1971.02,893.7 v1(1971.71,894.39) ; C62_23.1@2870.08,2720.47 2943.46,2720.47 v1(2948.09,2725.1) ; C62_4.1@2872.05,797.24 2873.32,795.97 v1(2948.09,795.97) ; C62_26.1@2874.02,2996.06 2943.46,2996.06 v1(2948.09,3000.69) ; C62_8.1@2876.35,1346.46 2947.4,1346.46 v1(2948.09,1347.15) ; C62_6.1@2876.48,1059.3 C62_6.1@2885.83,1059.3 ; C62_17.1@2876.48,2161.66 C62_17.1@2877.95,2161.66 ; C62_20.1@2876.48,2437.25 C62_20.1@2881.89,2437.25 ; C62_2.1@2877.95,519.69 2878.65,520.38 v1(2948.09,520.38) ; C62_17.1@2877.95,2169.29 2943.46,2169.29 v1(2948.09,2173.92) ; C62_20.1@2881.89,2441.98 2940.56,2441.98 v1(2948.09,2449.51) ; C62_29.1@2881.89,3275.59 2947.4,3275.59 v1(2948.09,3276.28) ; C62_6.1@2885.83,1066.93 2943.46,1066.93 v1(2948.09,1071.56) ; C62_11.1@2888.74,1622.74 v1(2948.09,1622.74) ; C62_14.1@2888.74,1898.33 v1(2948.09,1898.33) ; C62_31.1@2893.7,3551.18 2947.4,3551.18 v1(2948.09,3551.87) ; v1(3716.54,1023.62) C47.2@3767.72,1023.62 ; C62_9.1@3789.86,1344.73 C62_9.1@3798.84,1344.73 ; C62_18.1@3789.86,2171.5 C62_18.1@3798.84,2171.5 ; C62_30.1@3789.86,3273.87 3849.22,3273.87 v1(3861.48,3286.13) ; C62_32.1@3789.86,3549.46 3849.22,3549.46 v1(3861.48,3561.72) ; C62_12.1@3791.34,1633.86 3860.2,1633.86 v1(3861.48,1632.58) ; C62_27.1@3791.34,3011.81 3860.2,3011.81 v1(3861.48,3010.54) ; C62_9.1@3798.84,1354.33 3858.82,1354.33 v1(3861.48,1356.99) ; C62_18.1@3798.84,2177.17 3854.88,2177.17 v1(3861.48,2183.76) ; C62_24.1@3798.84,2740.16 3856.27,2740.16 v1(3861.48,2734.94) ; C62_15.1@3799.21,1905.51 3858.82,1905.51 v1(3861.48,1908.17) ; C62_21.1@3802.12,2459.35 v1(3861.48,2459.35) ; v1(4913.13,3147.68) 4913.13,3185.36 C134.2@4922.66,3194.89 ; v1(5183.84,3134.89) 5184.27,3135.32 C131.1@5184.27,3189.89 ; C132.2@5220.02,3274.89 v1(5273.84,3274.89) ; C142.1@5274.27,3584.89 v1(5318.84,3584.89) ; C137.1@5532.69,2352.01 v1(5571.72,2352.01) ; C140.1@5532.69,2430.75 v1(5572.98,2430.75) ; C139.1@5532.69,2509.49 v1(5578.44,2509.49) ; C138.1@5532.69,2588.23 5575.5,2588.23 v1(5578.84,2584.89) ; C136.2@5568.12,2686.65 v1(5622.08,2686.65) ; v1(5833.84,419.89) 5833.84,462.54 IC32.2@5834.51,463.2
  BottomLayer w40: C130.1@5565.43,3270 C141.1@5784.57,3270 5784.57,3358.98 IC1.5@5773.54,3370
  other v2: 3887.1,600.39 3926.47,600.39 3965.84,600.39 4005.21,600.39 4044.58,600.39 4083.95,600.39 4123.32,600.39 3887.1,639.76 3926.47,639.76 3965.84,639.76 4005.21,639.76 4044.58,639.76 4083.95,639.76 4123.32,639.76 3887.1,679.13 3926.47,679.13 3965.84,679.13 4005.21,679.13 4044.58,679.13 4083.95,679.13 4123.32,679.13 4044.58,718.5 4083.95,718.5 4123.32,718.5 3887.1,757.87 3926.47,757.87 3965.84,757.87 4005.21,757.87 4083.95,757.87 4123.32,757.87 3887.1,797.24 3926.47,797.24 3965.84,797.24 4005.21,797.24 4044.58,797.24 4083.95,797.24 4123.32,797.24 3887.1,836.61 3926.47,836.61 3965.84,836.61 4005.21,836.61 4044.58,836.61 4083.95,836.61 4123.32,836.61 5699.6,1064.32 5699.6,1123.37 5699.6,1182.43 5571.09,1639.89
I2C_SCL: IC32.1 J2.16 J37.27 TP12.1 | length 920.9
  TopLayer w5: J2.16@5250.78,338.98 5587.01,338.98 5677.17,429.13 TP12.1@5728.35,429.13 5787.4,370.08 5909.5,370.08 J37.27@5964.28,424.85
  BottomLayer w5: IC32.1@5873.84,454.89 5893.84,434.89 J37.27@5988.46,434.89
I2C_SDA: IC32.3 J2.15 J37.26 TP11.1 | length 1065.9
  TopLayer w5: J2.15@5150.78,338.98 5211.79,399.98 5604.7,399.98 TP11.1@5724.41,519.69 5779.04,519.69 v1(5798.84,499.89)
  BottomLayer w5: IC32.3@5798.84,469.89 v1(5798.84,499.89) 5808.84,509.89 5903.84,509.89 5938.84,474.89 6014.31,474.89 J37.26@6064.28,524.85
LDACn: IC18.63 R101.1 TP17.1 | length 1629.8
  TopLayer w5: TP17.1@5281.5,1287.4 5312.99,1318.9 5326.77,1318.9 5333.15,1325.27 v1(5333.15,1349.89) 5334.15,1348.89 R101.1@5362.64,1348.89
  Signal Layer 1 w5: v1(4212.6,581.61) 4213.66,582.68 4229.95,582.68 4236.02,576.61 4509.68,576.61 4555.12,622.05 4555.12,641.73 4594.49,681.1 4594.49,685.04 v1(4606.3,696.85)
  BottomLayer w5: IC18.63@4180.41,590.55 4182.01,588.96 4202.38,588.96 4209.73,581.61 v1(4212.6,581.61) ; v1(4606.3,696.85) 4618.11,708.66 4653.54,708.66 5204.72,1259.84 5267.72,1259.84 5333.15,1325.27 v1(5333.15,1349.89)
LED0: IC23.15 R113.1 | length 163.3
  TopLayer w8: v1(698.84,354.89) 698.84,334.89 725.41,308.32 IC23.15@795.77,308.32
  BottomLayer w8: v1(698.84,354.89) 699.31,355.36 R113.1@699.31,390.01
LED1: IC23.1 R114.1 | length 77.3
  TopLayer w8: IC23.1@563.49,333.91 563.49,359.54 563.84,359.89 v1(583.84,359.89)
  BottomLayer w8: R114.1@581.2,390.01 581.2,362.53 v1(583.84,359.89)
LED2: IC23.2 R115.1 | length 153.8
  TopLayer w8: IC23.2@563.49,308.32 627.27,308.32 643.84,324.89 v1(643.84,344.89)
  BottomLayer w8: R115.1@640.26,390.01 640.26,348.47 v1(643.84,344.89)
LED3: IC23.3 R119.1 | length 230.6
  TopLayer w8: IC23.3@563.49,282.73 636.68,282.73 v1(638.84,284.89)
  BottomLayer w8: R119.1@494.59,309.3 614.43,309.3 v1(638.84,284.89)
LED4: IC23.4 R120.1 | length 160.8
  TopLayer w8: IC23.4@563.49,257.13 606.6,257.13 v1(608.84,254.89)
  BottomLayer w8: R120.1@494.59,254.18 608.13,254.18 v1(608.84,254.89)
LED5: IC23.5 R121.1 | length 95.1
  TopLayer w8: R121.1@494.59,283.71 494.59,275.9 538.95,231.54 IC23.5@563.49,231.54
LED6: IC23.6 R122.1 | length 76.6
  TopLayer w8: R122.1@494.59,224.65 513.29,205.95 IC23.6@563.49,205.95
LED7: IC23.7 R123.1 | length 75
  TopLayer w8: R123.1@494.59,165.6 509.35,180.36 IC23.7@563.49,180.36
LVDS1_N: IC8.48 J37.3 R141.2 | length 820.6
  TopLayer w6: v1(5491.62,1866.27) 5498.46,1859.42 5498.46,1846.3 R141.2@5485.96,1833.8 5518.88,1800.87 5518.88,1775.85 IC8.48@5521.88,1772.85
  Signal Layer 1 w6: v1(5491.62,1866.27) 5498.46,1859.42 5498.46,1828.82 5545.24,1782.05 5822.64,1782.05 5931.33,1673.36 6012.68,1673.36 6021.15,1664.89 5981.11,1624.85 J37.3@5964.28,1624.85
LVDS1_P: IC8.47 J37.2 R141.1 | length 776.1
  TopLayer w6: v1(5517.31,1866.27) 5510.46,1859.42 5510.46,1846.3 R141.1@5522.97,1833.8 5522.97,1818.59 5541.57,1799.99 IC8.47@5541.57,1772.85
  Signal Layer 1 w6: v1(5517.31,1866.27) 5510.46,1859.42 5510.46,1833.79 5550.21,1794.05 5827.61,1794.05 5936.3,1685.36 6024.78,1685.36 J37.2@6064.28,1724.85
LVDS2_N: IC8.4 J37.6 R144.2 | length 907.6
  TopLayer w6: R144.2@5428.46,1673.29 5443.67,1673.29 v1@5453.74,1683.36 ; v1(5453.87,1683.24) 5456.87,1686.24 IC8.4@5494.32,1686.24 IC8.4@5498.16,1690.08
  Signal Layer 1 w6: v1(5453.87,1683.24) 5460.71,1690.08 5523.01,1690.08 5571.24,1738.31 5762.59,1738.31 5863.27,1637.63 5863.27,1536.49 5935.42,1464.35 6003.77,1464.35 J37.6@6064.28,1524.85
LVDS2_P: IC8.3 J37.5 R144.1 | length 841.7
  TopLayer w6: R144.1@5428.46,1710.3 5443.67,1710.3 ; v1(5453.87,1708.92) 5456.87,1705.92 IC8.3@5494.32,1705.92 IC8.3@5498.16,1702.08
  Signal Layer 1 w6: v1(5453.87,1708.92) 5460.71,1702.08 5518.04,1702.08 5566.27,1750.31 5767.56,1750.31 5875.27,1642.6 5875.27,1541.46 5940.39,1476.35 5981.15,1476.35 5982.46,1477.66 5982.46,1488.2 5964.28,1506.39 J37.5@5964.28,1524.85
LVDS3_N: IC8.10 J37.9 R147.2 | length 769.8
  TopLayer w6: R147.2@5439.46,1554.29 5454.67,1554.29 5471.37,1570.99 v1@5526.88,1570.99
  Signal Layer 1 w6: v1(5526.88,1566.15) 5536.56,1566.15 5564,1538.71 5739.05,1538.71 5809.15,1468.61 5809.15,1401.92 5842.96,1368.11 5994.09,1368.11 6013.78,1348.43 6003.94,1338.58 5978.01,1338.58 J37.9@5964.28,1324.85
LVDS3_P: IC8.9 J37.8 R147.1 | length 784.9
  TopLayer w6: R147.1@5439.46,1591.3 5454.67,1591.3 5458.16,1587.81 IC8.9@5494.32,1587.81 5522.86,1587.81 v1(5531.72,1596.68)
  Signal Layer 1 w6: v1@5528.64,1591.05 5534.69,1585 5545.73,1573.96 5568.97,1550.71 5744.02,1550.71 5821.15,1473.58 5821.15,1406.89 5847.93,1380.11 5986.41,1380.11 6015.75,1409.45 6015.75,1421.26 6019.34,1424.85 J37.8@6064.28,1424.85
LVDS4_N: IC8.14 J37.12 R151.2 | length 701.7
  TopLayer w6: v1(5541.57,1423.35) 5541.57,1440.87 5541.31,1441.13 R151.2@5546.97,1446.8 5546.97,1462 5541.57,1467.4 IC8.14@5541.57,1501.2
  Signal Layer 1 w6: v1(5541.57,1423.35) 5541.57,1408.83 5639.62,1408.83 5721.36,1327.09 5866.84,1327.09 5908.57,1285.36 5998.11,1285.36 6023.62,1259.84 6023.62,1250 6048.77,1224.85 J37.12@6064.28,1224.85
LVDS4_P: IC8.13 J37.11 R151.1 | length 725.2
  TopLayer w6: v1(5515.62,1423.35) 5515.62,1441.13 R151.1@5509.96,1446.8 5509.96,1462 5521.88,1473.92 IC8.13@5521.88,1501.2
  Signal Layer 1 w6: v1(5515.62,1423.35) 5515.62,1403.67 5522.46,1396.83 5634.65,1396.83 5716.39,1315.09 5861.87,1315.09 5903.6,1273.36 5993.14,1273.36 6010.15,1256.35 6010.15,1246.19 5988.81,1224.85 J37.11@5964.28,1224.85
LVDS5_N: IC9.48 J37.15 R160.2 | length 773.3
  TopLayer w6: IC9.48@5532.28,1259.2 5532.28,1296.93 5523.04,1306.17 R160.2@5523.04,1321.37 5535.55,1333.87 v1@5535.55,1349.89
  Signal Layer 1 w6: v1(5528.15,1349.89) 5528.15,1345.98 5535.55,1338.58 5535.55,1311.28 5599.45,1247.39 5652.5,1247.39 5652.69,1247.2 5791.84,1247.2 5912.78,1126.26 5912.78,1103.52 5944.41,1071.89 5995.15,1071.89 5995.15,1055.72 J37.15@5964.28,1024.85
LVDS5_P: IC9.47 J37.14 R160.1 | length 777.1
  TopLayer w6: IC9.47@5551.97,1259.2 5551.97,1298.08 5560.05,1306.17 R160.1@5560.05,1321.37 5555.12,1326.3 v1(5555.12,1350.39)
  Signal Layer 1 w6: v1(5555.12,1350.39) 5555.12,1343.86 5547.55,1336.29 5547.55,1316.26 5604.42,1259.39 5657.47,1259.39 5657.66,1259.2 5796.81,1259.2 5924.78,1131.23 5924.78,1108.49 5949.38,1083.89 6023.31,1083.89 J37.14@6064.28,1124.85
LVDS6_N: IC9.4 J37.18 R163.2 | length 857.7
  TopLayer w6: R163.2@5453.55,1162.87 5468.75,1162.87 5478.47,1172.58 IC9.4@5504.72,1172.58 5533.15,1172.58 v1(5536.15,1169.58)
  Signal Layer 1 w6: v1(5536.15,1169.58) 5559.84,1145.89 5803.38,1145.89 5876.15,1073.12 5876.15,909.92 5915.18,870.89 5996.12,870.89 6050.08,924.85 J37.18@6064.28,924.85
LVDS6_P: IC9.3 J37.17 R163.1 | length 833
  TopLayer w6: R163.1@5453.55,1199.87 5468.75,1199.87 5476.36,1192.27 IC9.3@5504.72,1192.27 5533.15,1192.27 v1(5536.15,1195.27)
  Signal Layer 1 w6: v1(5536.15,1195.27) 5537.11,1195.27 5554.99,1177.39 5554.99,1176.43 5573.53,1157.89 5808.35,1157.89 5888.15,1078.09 5888.15,914.89 5920.15,882.89 5991.15,882.89 5998.69,890.43 5998.69,900.89 5974.73,924.85 J37.17@5964.28,924.85
LVDS7_N: IC9.10 J37.21 R166.2 | length 764.7
  TopLayer w6: R166.2@5444.55,1047.87 5459.75,1047.87 5466.36,1054.47 IC9.10@5504.72,1054.47 5530.15,1054.47 v1(5533.15,1051.47)
  Signal Layer 1 w6: v1(5533.15,1051.47) 5543.56,1051.47 5718.99,876.05 5749.85,876.05 5853.01,772.89 6009.15,772.89 6017.15,764.89 5977.11,724.85 J37.21@5964.28,724.85
LVDS7_P: IC9.9 J37.20 R166.1 | length 763
  TopLayer w6: R166.1@5444.55,1084.87 5459.75,1084.87 5470.47,1074.16 IC9.9@5504.72,1074.16 5530.15,1074.16 v1(5533.15,1077.16)
  Signal Layer 1 w6: v1(5533.15,1077.16) 5534.85,1077.16 5723.96,888.05 5754.82,888.05 5857.98,784.89 6024.31,784.89 J37.20@6064.28,824.85
LVDS8_N: IC9.14 J37.24 R170.2 | length 743
  TopLayer w6: IC9.14@5551.97,987.54 5551.97,957.66 5561.05,948.57 R170.2@5561.05,933.37 5561.05,918.17 5555.39,912.5 v1(5555.39,904.89)
  Signal Layer 1 w6: v1(5555.39,904.89) 5548.55,898.05 5548.55,876.89 5563.39,862.05 5696.22,862.05 5811.38,746.89 5887.12,746.89 5924.78,709.23 5924.78,708.49 5947.92,685.36 6008.65,685.36 6024.15,669.86 6024.15,664.98 J37.24@6064.28,624.85
LVDS8_P: IC9.13 J37.23 R170.1 | length 744.5
  TopLayer w6: v1(5529.71,904.89) 5529.71,912.5 5524.04,918.17 R170.1@5524.04,933.37 5524.04,948.57 5532.28,956.81 IC9.13@5532.28,987.54
  Signal Layer 1 w6: v1(5529.71,904.89) 5536.55,898.05 5536.55,871.92 5558.42,850.05 5691.25,850.05 5806.41,734.89 5882.15,734.89 5912.78,704.26 5912.78,703.52 5942.95,673.36 6003.68,673.36 6009.15,667.89 5966.11,624.85 J37.23@5964.28,624.85